# KiCad board CM4IOv5_upgraded_to_kicadv8_harmonized.kicad_pcb (continued)
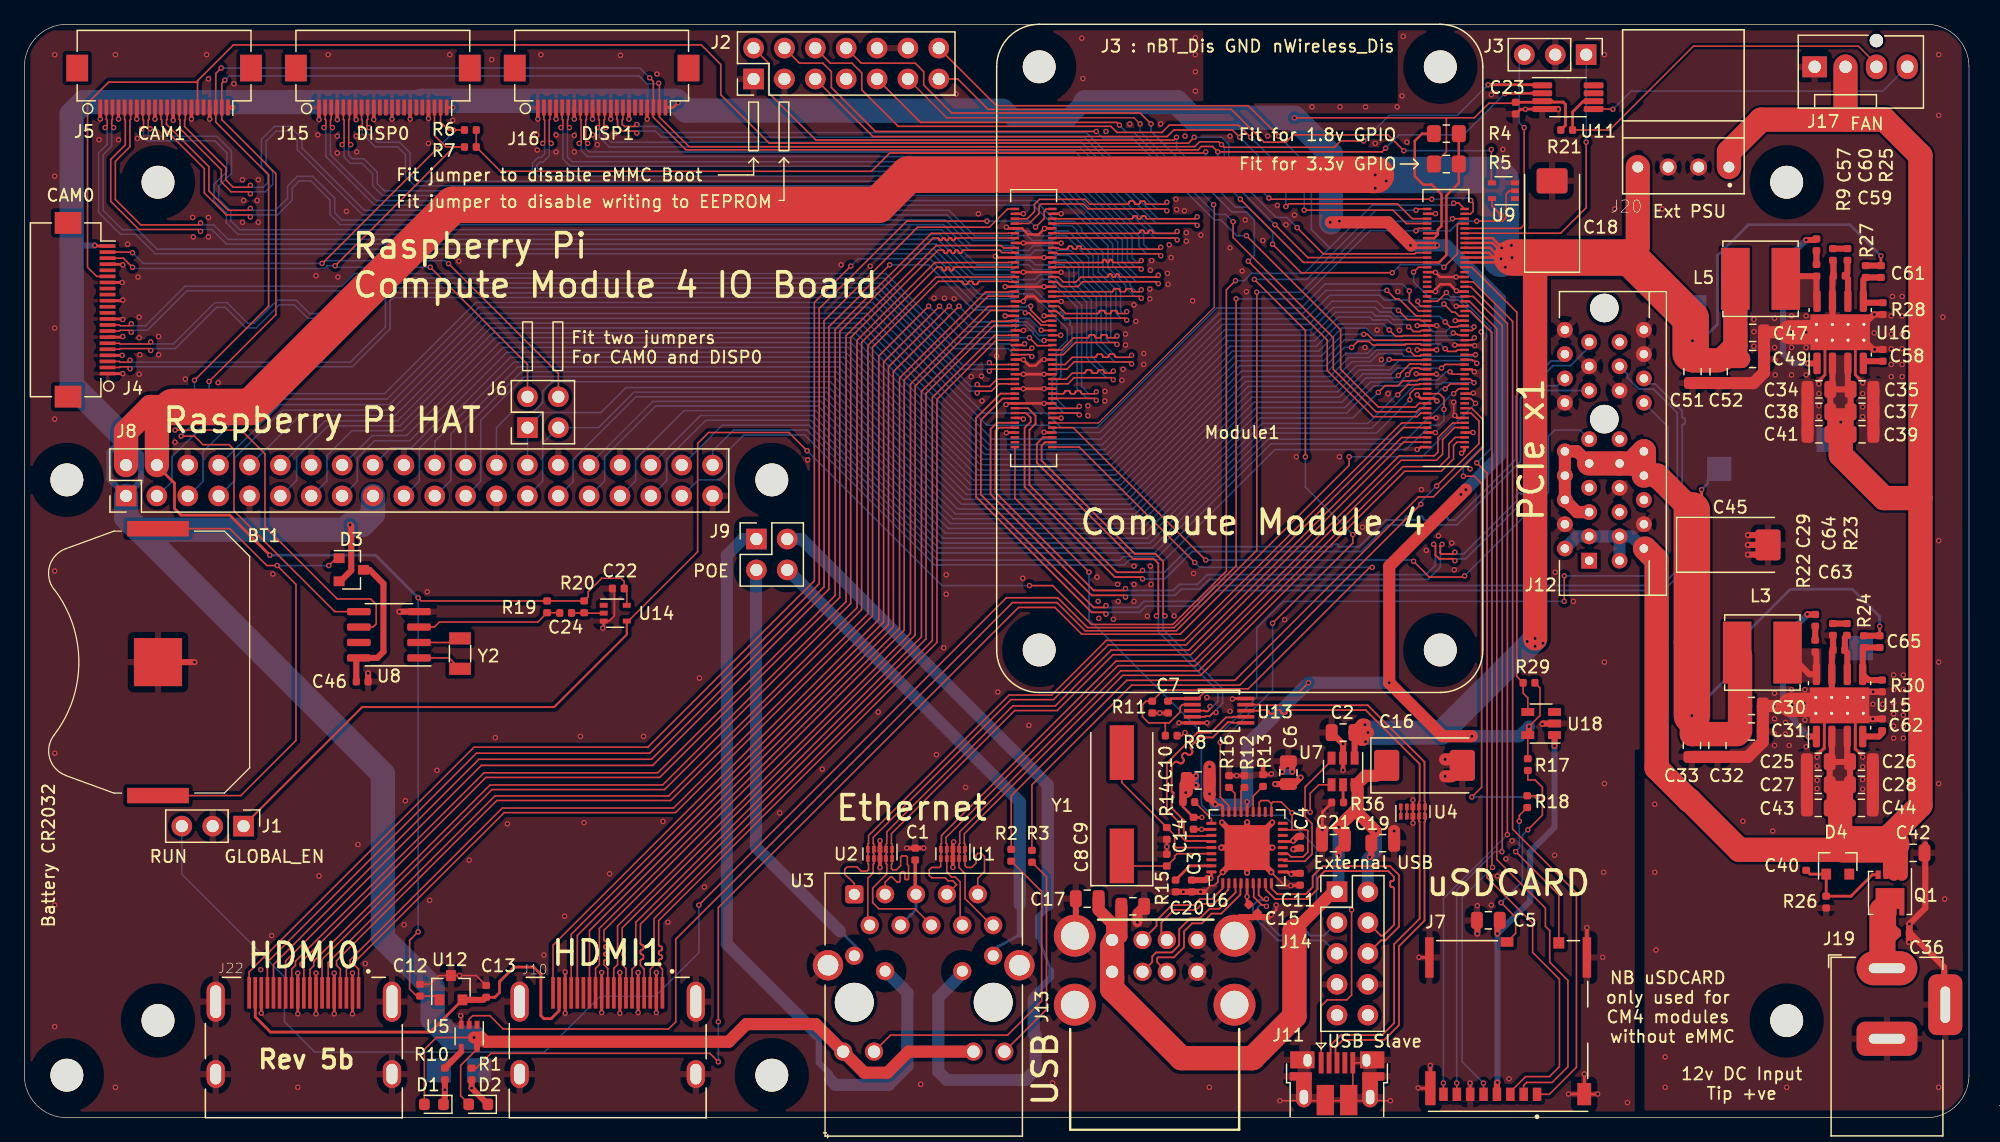
[diagram p0: board, top side]
## Nets (continued)
Net-(D1-Pad1): D1.1 R10.1 TP5.1
Net-(D2-Pad1): D2.1 R1.1 TP3.1
Net-(J2-Pad13): J2.13 U9.4
Net-(J7-Pad9): J7.9 R18.2
Net-(J7-Pad10): J7.10 R17.2
Net-(J11-Pad1): J11.1 R8.1
Net-(J17-Pad3): J17.3 R21.1 U11.6
Net-(J17-Pad4): J17.4 U11.5
Net-(L3-Pad1): L3.1 R22.1 U15.8
Net-(L5-Pad1): L5.1 R9.1 U16.8
Net-(Module1-Pad21): Module1.21 R1.2
Net-(R2-Pad1): R2.1 U3.16
Net-(R3-Pad1): R3.1 U3.18
Net-(R10-Pad2): R10.2 U5.4
Net-(R12-Pad1): R12.1 U6.24
Net-(R13-Pad1): R13.1 U6.22
Net-(R14-Pad1): R14.1 U6.28
Net-(R15-Pad2): R15.2 U6.35
Net-(R16-Pad1): R16.1 U6.25
Net-(R36-Pad1): R36.1 U7.5
Net-(U4-Pad1): U4.1 U4.10
Net-(U4-Pad2): U4.2 U4.9
Net-(U8-Pad1): U8.1 Y2.2
Net-(U8-Pad2): U8.2 Y2.1

Pads without a net: J4 11 12 14 15 18 MP; J5 18 MP; J10 14; J11 4; J12 A1 A7 B5 B6 B11 B17; J14 9 10; J15 11 12 14 15 17 18 MP; J16 17 18 MP; J22 14; Module1 19 64 68 70 72 73 104 106; U5 1; U6 11 14 16 18 20 34; U8 7; U9 1; U11 7 8; U14 1; U18 3

## Via types
v1: diameter 0.45, hole 0.25, Top to Bottom, 781 vias

## Routing (per net, layer and track width the routed paths; a pad name or vN(x,y) marks a point on that pad's centre or on a via; arc(x,y) is an arc through that point)
/+3.3v: length 461.1
  Top w0.13: 117,82.3 v1(104.5,82.3) ; 117,82.3 119.3,82.3 120.5,83.5 122.62,83.5 ; 117,82.3 117,79.5 116,78.5 ; 124.28,35.8 124.7,35.39 124.7,33.1 v1(123.8,32.2) ; 36.56,1.14 35.9,1.8 35.9,4.3 37.11,5.51 ; U18.5 123.7,29.55 ; v1(105.65,35.8) 104.89,35.04 97.11,35.04 96.7,34.63 96.7,34.5 ; v1(37,6.6) 33.9,6.6 32.91,5.61 D1.2
  Top w0.2: 98.02,25.75 98.5,25.75 98.6,25.65 U6.27 ; v1(53.8,83.55) 53.39,83.15 J16.22 ; 116.1,71.6 116.3,71.8 116.1,72 Module1.86 114.3,72 114.1,71.8 114.1,71.7 114.2,71.6 Module1.84 116.1,71.6
  Top w0.23: J4.22 5.85,71.75 v1(5.8,71.8) ; U6.23 v1(100.6,26) ; 104.16,20.04 103.97,20.23 103.61,20.23 ; R21.2 126.8,81.69 126.8,83.4 126.6,83.6 125.78,83.6 125.7,83.67 U11.3 ; U6.36 97.67,19.77 v1(97.6,19.7) ; 96.22,23.73 U6.29 ; J15.22 v1(35.25,83.15) ; C23.1 124.8,83.58 ; U6.5 v1(100.6,18.2) 100.6,17.68 ; U13.1 94.31,34.5 ; U6.15 104.33,22.73
  Top w0.3: J5.22 v1(17.15,83.15)
  Top w0.5: 26,44.15 26.9,45.05 26.9,48.7 v1(26.8,48.8) ; C11.1 104.31,20.11 ; U5.5 37.25,6.19 ; C3.1 97.18,19.56 97.34,19.72 97.6,19.72 ; v1(97.99,25.79) 97.52,26.26 97.5,26.68 ; v1(123.8,32.2) 123.8,31.6 ; 104.76,23.16 v1(104.4,22.8) ; 104.47,27.46 v1(105.01,28) ; C6.1 v1(102.91,27.46) ; C10.1 97.52,26.47
  Top w1: v1(37,6.6) 37.6,6.6 37.95,6.25 57.95,6.25 59.4,7.7 65.11,7.7 U3.15 69.11,3.7 71,3.7 72.74,5.44 U3.17 ; 97.5,26.68 v1(97.52,26.66) ; v1(97.52,26.66) 97.52,26.47 ; v1(97.52,26.66) C10.1 v1(97.52,28.89) ; v1(119.1,31.4) 116.7,31.4 v1(112.3,35.8) 112.3,45.4 v1(118.6,51.7) ; 107.5,73.7 112.2,73.7 114.1,71.8
  In2.Cu w0.5: v1(97.6,19.7) 98.12,19.18 100.43,19.18 100.6,19 v1(100.6,18.2)
  Bottom w0.5: v1(97.52,26.66) 97.52,26.26 v1(97.99,25.79) ; v1(5.8,71.8) 4.2,71.8 3.9,72.1 ; 7,54.8 8.2,56 9.6,54.6 9.6,52.41 J8.1 7,52.55 7,54.8
  Bottom w1: v1(118.2,51.3) v1(118.6,51.7) 121.4,54.5 121.4,67.4 117,71.8 114.1,71.8 ; v1(112.3,35.8) v1(105.65,35.8) 100.6,30.75 v1(100.6,26) 100.38,25.78 98.03,25.78 98,25.8 ; v1(119.1,31.4) 123,31.4 v1(123.8,32.2)
  Bottom w1.5: 80.6,83.1 81.4,82.3 85.9,82.3 87.2,83.6
  Bottom w2: 9.4,48.4 8.37,49.43 J8.1 ; 9.4,48.4 26.4,48.4 v1(26.8,48.8) 27.8,48.8 28.69,49.69 J8.17 ; 9.4,48.4 29.5,28.3 29.5,14.8 33.6,10.7 33.6,8.1 35.1,6.6 v1(37,6.6) ; 32.39,83.6 24.2,83.6 ; 8.2,56 3.9,60.3 3.9,82.6 4.9,83.6 24.1,83.6 24.1,83.6 ; 32.6,83.6 32.71,83.7 53.65,83.7 v1(53.8,83.55) 54.45,82.9 80.4,82.9 ; 87.3,83.6 94.8,83.6 96.1,82.3 v1(104.5,82.3) 107.5,79.3 107.5,73.7
  vias: v1(96.87,23.73) v1(104.24,20.04) v1(107.45,73.7) v1(108.2,73.8) v1(114.05,71.8) v1(116.25,71.8)
/+5v: length 366.9
  Top w0.13: U9.5 120.75,75.05 v1(121.5,74.3) ; 33.85,10 32.56,10 ; v1(32.4,42.8) 32.66,42.54 R19.2 R20.2 46.4,42.87 46.4,43.3 47.5,44.4 49.1,44.4 49.36,44.14 C22.1 ; U14.5 49.57,43.35 ; 32.28,10.01 31.7,10.6 31.7,14.6 v1(32.4,15.3)
  Top w0.2: 121.4,70.8 120.6,71.6 Module1.83 ; Module1.81 120.5,71.2 120.9,70.8 ; v1(122.4,70.8) 122,70.4 Module1.77 ; v1(122.4,70.8) Module1.79 ; v1(122.4,70.8) 120.8,72.4 Module1.87 ; Module1.85 120.8,72 122,70.8
  Top w0.23: 10.91,53.67 12.35,52.23 12.35,50.15 12.9,49.6 16.9,49.6 v1(20.2,46.3) ; C61.1 v1(152.75,70.95)
  Top w0.5: C61.1 R27.1 ; U7.1 109.45,31.69
  Top w1: C2.1 v1(110.55,31.7) ; C2.1 110.09,32.35 v1(110.3,32.35) ; C2.1 110.04,31.1 110.15,31.1 ; C47.1 C49.1
  Top w1.5: C49.1 139.51,62.45
  Top w2: L5.2 140.78,63.47 139.75,62.45 ; C51.1 v1(137.25,63.95) ; 131.8,70.8 132.75,71.75 J20.4 ; C52.1 137.26,62.34 ; 124.3,70.8 v1(124.3,39.45) ; J8.2 8.37,56.47 10.4,58.5 12.2,58.5 10.91,57.21 J8.4
  Top w3: 111.2,77.6 110.88,77.6 110.86,77.62 72.72,77.62 70.24,75.14 35.26,75.14 18.62,58.5 12.2,58.5 ; 137.1,62.9 137.1,65.8 132.1,70.8 v1(122.4,70.8)
  Bottom w0.13: 32.4,42.85 v1(32.4,15.3)
  Bottom w0.23: v1(152.75,70.95) 150.2,73.5 141.85,73.5 139.3,70.95 139.3,65.3 137.95,63.95 v1(137.25,63.95) 137.25,65.05 137.35,65.15 137.35,66.75 ; v1(20.2,46.3) 28.9,46.3 v1(32.4,42.8)
  Bottom w2: v1(110.55,31.7) 116.6,31.7 124.3,39.4 v1(124.3,39.45)
  Bottom w3: 111.2,77.6 121,77.6 121.5,77.1 v1(121.5,74.3) v1(121.5,70.7)
  vias: v1(110.35,30.95) v1(111.15,78.7) v1(111.15,77.6) v1(111.15,76.5) v1(112.05,78.3) v1(112.05,77.1) v1(121.55,71.6) v1(121.85,70) v1(122.35,71.8) v1(123.65,39.2) v1(124.3,38.8) v1(124.95,39.05)
/+12v: length 189.7
  Top w0.23: D4.1 148.49,21.34 C40.1
  Top w0.5: 148.72,31.43 148.72,29.17 ; 149.99,31.43 149.99,29.92 ; 150.21,27.49 150.21,29.29 148.54,29.29 148.54,25.59 ; 150.21,27.49 150.21,25.64 148.59,25.64 ; 150.21,27.49 148.59,27.49 ; 150.26,58.15 150.26,56.3 148.64,56.3 ; 150.26,58.15 C35.1 C34.1 C38.1 C41.1 ; 150.26,58.15 148.64,58.15 ; U16.3 150.03,60.58 ; Q1.3 153.18,22.07 153.6,22.5 ; 148.76,62.09 148.76,59.83
  Top w1: Q1.1 154.47,21.62 153.6,22.5 ; 149.84,82.26 149.95,82.15 ; Q1.2 153.82,22.28
  Top w2: J20.1 140.25,79.5 142.9,82.15 153.05,82.15 156,79.2 156,51 ; 156,51 156,25.7 153.6,23.3 153.6,22.5 ; 156,51 153,51 149.45,54.55 v1(149.45,57.25) ; 149.65,22.5 D4.1 141.1,22.05 137,26.15 136.94,26.15 134.3,28.79 134.3,45.9 133.35,46.85 ; 149.4,26.59 149.4,22.25 ; J17.2 149.84,82.26
  Top w3: 153.6,22.5 149.65,22.5
  Bottom w0.23: v1(149.45,57.25) 149.45,56.8
  Bottom w1: J12.A2 127.75,47.85 J12.A3 J12.B3 ; J12.B3 132.25,47.85 J12.B2 ; J12.B3 J12.B1
/CM4_GPIO ( Ethernet, GPIO, SDCARD)/+1.8v: length 12.9
  Top w0.2: 116.3,72.8 116.3,73.1 116.6,73.4 116.6,76 115.8,76.8 115.1,76.8 114.4,77.5 114.4,80.4 115,81 R4.1 ; 116.3,72.8 116.3,72.7 116,72.4 Module1.88 ; 116.3,72.8 Module1.90
/PCIe-connector/+3.3v: length 92
  Top w0.23: C65.1 v1(152.65,40.45) ; v1(138,51.7) 138,50.8 137.2,50
  Top w0.5: R24.1 C65.1
  Top w1: J12.A9 127.75,54.85 J12.A10 J12.A8 J12.A6 127.75,49.85 J12.A5
  Top w2: C31.1 C30.1 141.16,38.05 ; 140.95,31.57 C33.1 v1(137.2,33.1) ; J12.B8 J12.B10 132.25,53.85 J12.B9 J12.A9 ; 137.2,50 134.35,52.85 134.17,52.85
  Top w3: 137.2,39.1 v1(137.2,33.1) ; 137.2,50 137.2,39.16
  Bottom w0.23: v1(137.2,33.1) 137.2,33.3 140.9,37 140.9,39.1 145.3,43.5 150.4,43.5 152.65,41.25 v1(152.65,40.45) ; v1(138,51.7) 138.5,52.2 138.5,52.5
  Bottom w1: J12.B8 J12.B10 132.25,53.85 J12.B9 J12.A9 127.75,54.85 J12.A10 J12.A6 127.75,49.85 J12.A5
/USB2-HUB/VBUS: length 69.2
  Top w0.5: C21.1 108.1,22.06 108.1,21.6 v1(108.12,21.57) ; v1(110.7,21.45) 110.82,21.57 C19.1 ; v1(111.2,23.6) 109.95,24.85 109.95,27.05 109.6,27.4 ; U7.6 109.45,25.25
  Top w1: v1(111.2,23.6) 109.55,25.25 109.45,25.25 v1(108.12,23.93) 108.64,23.41 C21.1 ; C17.1 88.39,17.11 89.5,16 89.5,14.13 90.26,14.89 C20.1 ; 109.6,27.4 110.34,28.14 111.22,28.14 ; 107.7,18.6 104.5,15.4
  Top w2: 104.5,15.4 104.5,8.35 101.05,4.9 95.2,4.9 89.5,10.6 89.5,14.13
  Bottom w1: v1(111.2,23.6) 111.2,21.95 v1(110.7,21.45) 110.54,21.29 J14.2 ; 108.12,18.72 v1(108.12,21.57) v1(108.12,23.93)
GND: length 878.2
  Top w0.13: v1(118.95,2.85) 118.95,1.44 ; U12.3 37.19,11.7 38,10.88 ; U14.3 48.11,40.88 48.55,41.31 48.55,43.4 ; 119,61.6 119.1,61.6 ; v1(35.9,8.4) 35.95,8.35 U5.3 ; Module1.60 114.89,66.8 114.64,67.05 v1(114.64,67.2) ; 110.22,4.52 J11.5 109.3,1.79 ; v1(35.8,11.7) 34.1,11.7 33.39,10.99 32.3,10.99 ; v1(112.4,1.4) v1(103.3,1.4) ; v1(102.6,20.2) 103.7,19.1 v1(104.2,19.1) ; v1(98.6,20.2) 98.2,19.8 98.2,19.4 97.9,19.1 97.6,19.1 97.09,18.59 ; v1(117.7,57.8) 117.6,57.9 v1(117.6,58.9) ; 82.2,63.6 v1(82.3,63.7)
  Top w0.2: v1(116.18,61.2) 116.18,61.2 Module1.32 114.54,61.2 v1(114.52,61.23) ; Module1.66 v1(116.1,68) 116.1,68.2 116.5,68.6 117.3,68.6 117.3,68.59 v1(117.83,68.06) 117.89,68 Module1.65 ; 84.6,72 85.29,72 v1(85.3,71.99) ; v1(83.9,66.01) 83.91,66 84.6,66 ; Module1.132 v1(82.2,61.2) ; 84.6,73.2 83.95,73.2 v1(83.94,73.18) 83.45,72.7 82.6,72.7 82.1,73.2 Module1.192 80.9,73.2 v1(80.8,73.3) ; Module1.126 v1(82.2,60) ; v1(82.2,57.5) 82.1,57.6 Module1.114 ; 84.6,67.2 85.29,67.2 v1(85.3,67.19) ; Module1.167 v1(83.9,68.4) Module1.168 v1(80.7,68.4) ; v1(117.7,57.8) 117.9,57.6 Module1.13 ; 119,61.6 Module1.33 ; v1(85.3,57.59) 85.29,57.6 84.6,57.6 ; v1(80.8,56.37) 80.83,56.4 Module1.108 ; v1(119.3,61.4) 119.1,61.6 ; Module1.7 v1(119.19,56.4) ; 84.6,69.6 85.29,69.6 v1(85.3,69.59) ; v1(82.2,74.41) 82.19,74.4 Module1.198 ; v1(114.6,63.2) Module1.42 v1(116.2,63.2) ; Module1.156 v1(80.7,66) ; 84.6,56.4 83.93,56.4 v1(83.9,56.43) ; Module1.186 v1(82.2,72) Module1.185 ; v1(114.6,55) 114.7,55 114.9,55.2 Module1.2 ; Module1.144 82.2,63.6 ; v1(114.6,65.2) Module1.52 v1(116.2,65.2) ; Module1.23 119.18,59.6 v1(119.22,59.64) ; Module1.173 v1(82.2,69.6) Module1.174 ; Module1.150 v1(82.2,64.8) ; Module1.53 117.74,65.6 v1(117.73,65.61) ; v1(79.9,70.9) 80,70.8 Module1.180 v1(83.9,70.8) 84.6,70.8 ; v1(102.6,16.7) 103,17.1 v1(103,17.5) ; Module1.59 v1(117.8,66.8) ; v1(114.25,26.15) U4.8 U4.3 v1(114.25,24.25) ; v1(116.1,74.42) 116.08,74.4 Module1.98 ; v1(117.7,63.6) Module1.43 119.28,63.6 v1(119.33,63.55) ; Module1.162 v1(82.2,67.2) 82.2,67.3 82.5,67.6 83.1,67.6 83.5,67.2 Module1.161 ; U13.10 99.43,34.5 ; Module1.14 116.1,57.6 ; 118.32,54.75 118.5,54.93 Module1.1 ; Module1.119 83.91,58.8 v1(83.9,58.79) ; Module1.74 116.08,69.6 v1(116.1,69.58) 116.48,69.2 v1(117.8,69.2) Module1.71 ; Module1.131 v1(83.9,61.2) ; 84.6,74.4 85.29,74.4 v1(85.3,74.41) ; v1(80.77,58.7) 80.87,58.8 Module1.120 83.9,58.8 ; C14.2 95.33,25.59 R14.2 ; 102.31,16.51 102.5,16.7 ; v1(116.23,58.99) 116.02,59.2 Module1.22 114.9,59.2 v1(114.6,59.5) ; Module1.138 82.19,62.4 v1(82.2,62.39) 82.49,62.1 82.5,62.1 82.7,61.9 83.2,61.9 83.7,62.4 v1(83.9,62.4) 84.6,62.4 ; 84.59,60.01 v1(83.9,60.01) ; Module1.8 v1(116.1,56.4) ; U14.3 47.67,40.37
  Top w0.23: C8.2 v1(94,22.3) C9.2 ; J15.13 v1(30.25,82.2) ; v1(114.68,2.45) 114.71,2.43 J7.11 ; R12.2 v1(99.75,28.15) R16.2 ; v1(82.2,60) 83.89,60 v1(83.9,60.01) ; v1(151.25,29.69) 151.25,29.75 150.65,30.35 150.65,32.69 ; 25.5,8.5 v1(25.5,11.9) ; v1(52,8.65) v1(52,11.95) ; v1(47.5,8.65) v1(47.5,11.95) ; 151.3,60.35 151.3,60.5 150.65,61.15 150.65,63.4 ; 148.15,63.4 148.15,61.15 147.55,60.55 147.55,60.35 ; v1(96.88,24.72) C14.2 ; C23.2 123.09,83 v1(123.5,83) 123.53,83.03 U11.4 ; v1(8.1,70.2) 8.05,70.25 J4.19 ; J7.11 129.44,1.94 v1(129.45,1.95) ; v1(128.35,3.6) 128.35,1.95 ; v1(49,8.6) v1(49,11.95) ; 19.5,9.78 v1(19.5,8.6) ; v1(127.05,1.95) 128.33,1.95 ; C7.2 v1(93.41,33.31) R11.2 ; 27,8.5 v1(27,11.9) ; 107.56,25.91 106.8,25.15 v1(106.8,23.7) ; v1(104.2,19.1) 104.5,19.1 104.54,19.14 104.96,19.14 ; J7.6 118.96,2.84 v1(118.95,2.85) ; v1(147.5,29.69) 147.5,29.85 148.1,30.45 148.1,32.74 ; J4.1 v1(8.1,61.25) ; v1(97.3,32.5) U13.5 v1(95,32.5) ; v1(22.5,11.9) v1(22.5,8.55) ; J4.16 v1(8.05,68.75) ; J4.4 v1(8.05,62.75) ; J7.11 114.76,13.19 v1(114.75,13.2) ; v1(24,8.55) v1(24,11.9) ; v1(82.2,61.2) v1(83.9,61.2) ; J5.4 v1(7.75,82.2) ; J4.7 8.05,64.25 ; J4.13 8.05,67.25 ; J4.10 8.05,65.75 ; v1(50.5,8.65) v1(50.5,11.95) ; v1(44.5,8.6) v1(44.5,12)
  Top w0.3: 115.68,1.93 v1(115.68,4.3) ; v1(72.6,22.2) 72.62,22.19 C1.2 73.72,22.19 73.74,22.2 v1(74,22.2) ; J5.16 v1(13.75,82.2) ; J5.1 v1(6.25,82.2) ; 101.91,28.96 R13.2 102.54,28.24 ; J15.4 v1(25.75,82.16) ; v1(76.4,20.6) U1.8 U1.3 76.4,22.64 v1(76.47,22.71) ; J16.4 v1(43.75,82.2) ; J15.10 v1(28.75,82.16) ; J15.7 27.25,82.21 ; J16.10 v1(46.75,82.2) ; J5.19 v1(15.25,82.2) ; J16.1 v1(42.25,82.2) ; J16.19 v1(51.25,82.2) ; v1(70.4,20.6) U2.8 v1(70.4,22.8) ; J15.19 v1(33.25,82.24) ; J5.7 v1(9.25,82.2) ; 128.56,12.69 v1(128.56,15.65) ; J16.13 v1(48.25,82.2) ; J16.7 v1(45.25,82.2) ; U7.2 v1(108.5,28.6) ; J5.13 v1(12.25,82.1) ; J16.16 v1(49.75,82.2) ; J15.1 v1(24.25,82.15) ; J15.16 v1(31.75,82.2) ; J5.10 v1(10.75,82.2)
  Top w0.5: 151.76,32.82 v1(152.09,32.82) C62.2 ; 150.47,35.05 v1(152.12,35.05) R30.2 ; C63.2 148.81,39.69 ; 148.72,38.39 U15.7 148.72,34.57 ; U6.37 98.6,20.23 v1(98.6,20.2) ; U6.37 v1(98.54,24.3) ; U6.37 98.48,22.23 v1(98.47,22.22) ; U6.37 v1(100.6,20.15) ; U6.37 v1(100.6,24.32) ; U6.37 102.6,20.24 v1(102.6,20.2) ; U6.37 v1(102.67,24.3) ; U6.37 v1(102.69,22.23) ; C6.2 103.5,28.84 v1(103.5,28.47) ; U7.2 v1(108.5,30.76) C2.2 ; 96.03,27.76 v1(96.4,28.12) ; 148.76,65.28 148.76,69.22 ; C59.2 148.85,70.52 ; U8.4 v1(30.86,41.66) ; v1(155.05,14.45) 155.05,14.75 155.09,14.78 C36.2 155.09,15.62 155.1,15.63 v1(155.1,15.95) 156.4,17.25 156.4,22.5 ; R15.1 v1(95.36,18.59) C3.2 96.76,18.59 ; v1(96.4,27.38) 96.45,27.32 96.18,27.32 95.74,27.76 ; C46.2 v1(28.28,36.58) ; v1(104.32,28.47) 104.32,29.01 ; v1(104.4,22.1) 104.56,22.1 104.66,22.19 ; 157.95,9.3 157.95,12.4 155.15,15.2 ; 142.9,46.35 v1(141.8,46.35) ; v1(119.55,15.15) 119.55,16.21 ; v1(96.78,18.6) 97.09,18.59 ; v1(126.2,83) 126.18,83.03 U11.4 ; 142.55,47.95 v1(141.8,47.95) ; R28.2 v1(152.22,66.11) 152.16,66.11 U16.9 ; U18.2 124.94,32.44 v1(124.9,32.4) ; C58.2 v1(152.24,63.23) 152.12,63.23 U16.9 ; BT1.2 v1(14,37.5) ; 100.01,16.51 102.31,16.51 ; C45.2 v1(141.8,47.15) ; C17.2 86.51,13.95
  Top w0.6: R14.2 95.33,27.45
  Top w0.8: C20.2 91.58,16.84 v1(91.58,16.08)
  Top w1: 143.19,64.65 v1(144.05,64.65) 145.25,64.65 ; C33.2 C32.2 141.8,29.7 143.04,30.94 C31.2 C30.2 v1(143.95,33.89) 145.2,33.89 145.3,33.99 ; 146.66,29.29 146.66,25.59 ; 152.09,29.29 152.09,25.59 ; 116.9,29.5 117.81,29.5 ; C51.2 139.39,60.47 ; C34.2 C41.2 ; C52.2 142.26,60.46 143.14,61.34 C49.2 C47.2 ; C10.2 95.64,26.84 ; C21.2 106.76,23.63 106.8,23.67 ; C35.2 C39.2 ; v1(116.9,28.1) 117.41,28.1 ; C19.2 v1(112.7,23.6)
  Top w2: U16.9 145.25,64.65 ; 149.3,33.99 145.3,33.99
  In1.Cu w0.13: 30,55.2 29.95,55.15 29.95,49.85 29.9,49.8 ; 30,55.2 32.5,55.2 ; 30,55.2 27.4,55.2 ; 50.25,52.4 55.36,52.4 56.63,51.13 ; 50.25,52.4 42.66,52.4 ; 50.25,52.4 50.25,52.45 50.35,52.55 ; 14.7,52.4 14.7,49.9 14.6,49.8 ; 14.6,49.8 17.3,49.8 ; 14.6,49.8 12.2,49.8 ; 17.3,49.8 17.25,49.85 17.25,55.15 17.2,55.2 ; 17.3,49.8 19.9,49.8 ; 45.2,49.8 47.7,49.8 ; 45.2,49.8 45.25,49.85 45.25,55.15 45.2,55.2 ; 45.2,49.8 42.7,49.8 ; 47.7,49.8 47.75,49.85 47.75,55.15 47.7,55.2 ; 47.7,49.8 50.4,49.8 ; 35,49.8 35.05,49.85 35.05,55.15 35.1,55.2 ; 35,49.8 32.5,49.8 ; 35,49.8 37.6,49.8 ; 52.7,55.2 50.3,55.2 ; 52.7,55.2 52.85,55.05 52.85,49.85 52.9,49.8 ; 52.7,55.2 55.3,55.2 ; 50.3,55.2 50.35,55.15 50.35,49.85 50.4,49.8 ; 50.3,55.2 47.7,55.2 ; 19.9,55.2 19.85,55.15 19.85,49.85 19.9,49.8 ; 19.9,55.2 22.4,55.2 ; 19.9,55.2 17.2,55.2 ; 40.1,49.8 42.7,49.8 ; 40.1,49.8 40.1,55.2 ; 40.1,49.8 37.6,49.8 ; 42.7,49.8 42.66,49.84 42.66,52.4 ; 49.01,53.67 49.01,52.47 49.08,52.4 ; 42.66,52.4 27.45,52.4 27.4,52.45 23.6,52.4 ; 42.66,52.4 42.66,55.14 42.6,55.2 ; 42.66,52.4 43.93,53.67 ; 22.4,55.2 22.35,55.15 22.35,52.45 ; 22.4,55.2 24.9,55.2 ; 18.6,52.4 18.53,52.33 18.53,51.13 ; 35.1,55.2 37.7,55.2 ; 35.1,55.2 32.5,55.2 ; 27.4,49.8 27.4,55.2 ; 27.4,49.8 24.8,49.8 ; 27.4,49.8 29.9,49.8 ; 17.2,55.2 12.2,55.2 ; 19.9,49.8 22.4,49.8 ; 42.6,55.2 40.1,55.2 ; 42.6,55.2 45.2,55.2 ; 40.1,55.2 37.7,55.2 ; 32.5,55.2 32.55,55.15 32.55,49.85 32.5,49.8 ; 23.6,52.4 23.6,52.46 23.61,52.47 23.61,53.67 ; 23.6,52.4 7,52.4 ; 37.7,55.2 37.6,55.1 37.6,49.8 ; 12.2,55.2 7.4,55.2 7,54.8 7,52.4 ; 12.2,55.2 12.15,55.15 12.15,49.85 12.2,49.8 ; 27.4,55.2 24.9,55.2 ; 12.2,49.8 7.2,49.8 7,50 7,52.4 ; 22.35,52.45 22.4,52.4 ; 22.35,52.45 22.35,49.85 22.4,49.8 ; 47.7,55.2 45.2,55.2 ; 24.8,49.8 24.9,49.9 24.9,55.2 ; 24.8,49.8 22.4,49.8 ; 52.9,49.8 57.9,49.8 58.1,50 58.1,54.6 57.5,55.2 55.3,55.2 ; 52.9,49.8 50.4,49.8 ; 55.3,55.2 55.3,52.4 ; 29.9,49.8 32.5,49.8 ; J14.7 J14.8 ; 14.72,52.4 13.45,53.67 ; 31.3,52.4 31.23,52.47 31.23,53.67 ; 38.85,51.13 40.12,52.4 ; 39.95,52.4 40.1,52.55
  In1.Cu w0.23: J2.12 73.94,86.8 ; 73.94,86.8 73.94,84.84 ; 73.94,86.8 76,86.8
  In1.Cu w0.5: J2.7 J2.10
  In2.Cu w0.13: 38.8,52.4 38.8,52.38 38.85,52.33 ; 38.8,52.4 38.9,52.4 ; 38.8,52.4 37.5,52.4 ; 12.2,55.05 12.25,55.1 14.7,55.1 ; 12.2,55.05 13.45,53.8 ; 12.2,55.05 12.2,52.47 12.15,52.42 ; 45.15,50.05 45.15,55.05 45.2,55.1 ; 35.1,52.4 35.05,52.35 35.05,50.15 35.2,50 ; 35.1,52.4 34.95,52.4 ; 35.1,52.4 37.5,52.4 ; 24.8,50 22.3,50 ; 24.8,50 27.5,50 ; 24.8,50 24.8,52.4 ; 22.3,50 22.3,52.4 ; 22.3,50 19.8,50 ; 17.3,55.1 14.7,55.1 ; 17.3,55.1 19.8,55.1 ; 17.3,55.1 17.25,55.05 17.25,52.65 17.2,52.6 17.2,50.1 17.3,50 ; 14.7,55.1 14.72,55.08 14.72,52.42 ; 34.95,52.4 34.95,52.75 35.1,52.9 35.1,55.1 ; 34.95,52.4 32.5,52.4 ; 34.95,52.4 35,52.35 ; 27.4,52.4 27.45,52.45 27.45,55.05 27.5,55.1 ; 42.65,52.4 55.9,52.4 56,52.5 57.6,52.5 58,52.9 58,54.5 57.4,55.1 55.3,55.1 ; 42.65,52.4 42.65,55.05 42.7,55.1 ; 42.65,52.4 38.9,52.4 ; 42.65,52.4 42.65,50.05 42.7,50 ; 31.2,52.4 31.2,52.5 31.23,52.53 31.23,53.67 ; 31.2,52.4 30,52.4 ; 31.2,52.4 32.5,52.4 ; 19.8,55.1 22.4,55.1 ; 19.8,55.1 19.8,52.4 ; 37.5,52.4 37.5,52.3 37.55,52.25 37.55,50.15 37.7,50 ; 37.5,52.4 37.5,55.1 ; 45.2,55.1 42.7,55.1 ; 45.2,55.1 47.8,55.1 ; 42.7,55.1 40,55.1 ; 30.1,50 30,50.1 30,52.4 ; 30.1,50 32.6,50 ; 30.1,50 27.5,50 ; 15.2,52.4 14.7,52.4 14.3,52.8 14.3,52.82 13.45,53.67 ; 15.2,52.4 19.8,52.4 ; 15.2,52.4 15.18,52.42 14.72,52.42 ; 19.8,52.4 19.8,50 ; 19.8,52.4 22.3,52.4 ; 40,55.1 37.5,55.1 ; 40,55.1 40.1,55 40.1,50.2 40.2,50.1 40.2,50 ; 37.5,55.1 35.1,55.1 ; 23.68,52.4 23.61,52.47 23.61,53.67 ; 14.7,50 12.2,50 12.15,50.05 12.15,52.42 ; 14.7,50 17.3,50 ; 14.7,50 14.72,50.02 14.72,52.42 ; 19.8,50 17.3,50 ; 50.3,55.1 50.3,50 ; 50.3,55.1 47.8,55.1 ; 50.3,55.1 52.8,55.1 ; 32.5,52.4 32.5,55.1 ; 32.5,52.4 32.5,50.1 32.6,50 ; 32.5,55.1 35.1,55.1 ; 32.5,55.1 30,55.1 ; 12.15,52.42 14.72,52.42 ; 52.9,50 50.3,50 ; 52.9,50 52.85,50.05 52.85,55.05 52.8,55.1 ; 52.9,50 55.3,50 55.3,52.55 55.35,52.6 55.35,55.05 55.3,55.1 ; 50.3,50 47.8,50 ; 22.4,52.4 22.4,55.1 ; 30,52.4 30,55.1 ; 30,52.4 24.9,52.4 ; 24.9,52.4 24.9,55.1 ; 24.9,52.4 24.8,52.4 ; 43.9,52.4 43.9,52.44 43.93,52.47 43.93,53.67 ; 47.8,55.1 47.8,50 ; 22.4,55.1 24.9,55.1 ; 27.35,52.4 27.4,52.35 27.4,50.1 27.5,50 ; 32.6,50 35.2,50 ; 22.3,52.4 24.8,52.4 ; 55.36,52.4 56.63,51.13 ; 42.7,50 47.8,50 ; 42.7,50 40.2,50 ; 18.53,51.13 18.53,52.33 18.6,52.4 ; 52.8,55.1 55.3,55.1 ; 40.2,50 37.7,50 ; 37.7,50 35.2,50 ; 48.9,52.4 49.01,52.51 49.01,53.67 ; 27.5,55.1 24.9,55.1 ; 27.5,55.1 30,55.1 ; 38.9,52.4 38.85,52.35 38.85,51.13
  In2.Cu w0.23: 74,86.7 74,84.6 ; 74,86.7 73.8,86.9 73.8,86.94 J2.12 ; 74,86.7 74.2,86.7 74.3,86.8 75.9,86.8
  In2.Cu w0.5: J2.10 J2.7
  Bottom w0.5: v1(103.5,28.47) v1(104.32,28.47) ; v1(96.4,28.12) v1(96.4,27.38)
  vias: v1(2.5,87.5) v1(2.5,77.5) v1(2.5,65) v1(2.5,57.5) v1(2.5,45) v1(2.5,30) v1(2.5,17.5) v1(2.5,7.5) v1(6.15,80.5) v1(7.5,87.5) v1(7.5,2.5) v1(7.75,80.5) v1(8.1,67.3) v1(8.1,65.7) v1(8.1,64.3) v1(8.5,71.9) v1(9.3,80.6) v1(9.35,69.2) v1(9.45,65.9) v1(9.45,64.2) v1(9.5,62.8) v1(9.45,61.2) v1(11.05,64.3) v1(11.05,62.8) v1(12.4,55.6) v1(13.25,60.8) v1(13.85,74.1) v1(13.9,72.5) v1(15,87.5) v1(15.15,85.5) v1(15.15,74.1) v1(15.15,72.5) v1(15.95,60.5) v1(17.25,85.1) v1(17.95,77.2) v1(18.05,75.5) v1(17.95,73.7) v1(19.25,77.2) v1(19.15,75.5) v1(19.25,73.7) v1(19.45,12.19) v1(20.35,14.99) v1(20.45,44.75) v1(22.5,2.5) v1(24,69.3) v1(24.15,80.9) v1(24.25,19.9) v1(25,87.5) v1(25.5,8.55) v1(25.75,80.8) v1(25.75,79.4) v1(25.8,69.2) v1(26.5,74.6) v1(27,8.55) v1(27.3,82.16) v1(27.3,80.8) v1(27.35,79.5) v1(27.45,22.49) v1(28.05,12.69) v1(29.15,81.2) v1(31.25,15.89) v1(31.35,26.09) v1(33.25,80.2) v1(33.15,43.29) v1(33.35,17.89) v1(33.95,28.59) v1(35,87.5) v1(35.25,82.1) v1(35.75,70.5) v1(36.6,21.2) v1(38.45,87.1) v1(38.75,31.29) v1(39.75,24.19) v1(42.15,80.9) v1(42.2,79.66) v1(42.5,87.5) v1(42.75,13.39) v1(43.75,80.9) v1(43.75,79.5) v1(44.45,16.59) v1(45.25,80.85) v1(45.25,79.5) v1(45.75,31.39) v1(46.05,24.29) v1(46.75,80.9) v1(47.15,80.1) v1(47.6,40.3) v1(48.15,20.09) v1(48.6,81) v1(49.05,87.45) v1(50.95,31.39) v1(52.05,85.9) v1(52.55,24.39) v1(52.95,16.09) v1(55.55,36.19) v1(55.95,18.99) v1(62.15,25.09) v1(64.45,54.15) v1(65.65,28.69) v1(67.2,70.2) v1(69.6,70.09) v1(70.25,33.39) v1(73.75,2.75) v1(74.85,67.45) v1(75.05,29.89) v1(75.7,67.45) v1(75.65,38.69) v1(75.85,44.69) v1(75.85,43.09) v1(76.5,67.4) v1(76.66,84.26) v1(77.45,27.19) v1(77.9,61) v1(78.5,74.4) v1(78.75,61.04) v1(78.8,59) v1(80,62.69) v1(80.1,35.04) v1(82.15,44.4) v1(82.65,32.29) v1(84.6,2.85) v1(87,88.85) v1(87.1,85.54) v1(87.5,58.6) v1(87.5,57.79) v1(88.25,44.5) v1(88.35,42.5) v1(88.4,41.1) v1(88.9,59.79) v1(88.9,59) v1(89,81.18) v1(89.6,41.02) v1(89.95,43.9) v1(90,42.5) v1(90.3,60.7) v1(90.4,61.6) v1(90.6,64.5) v1(90.6,63.6) v1(90.95,81.8) v1(91.3,66.9) v1(91.3,45.4) v1(91.3,43.9) v1(91.3,42.5) v1(91.45,65.55) v1(92.1,62.9) v1(92.1,62) v1(92.4,41.29) v1(92.6,68.2) v1(92.6,67.4) v1(92.65,69.75) v1(92.65,45.4) v1(92.7,43.9) v1(92.75,70.55) v1(93.5,81.8) v1(94.05,69.5) v1(94.1,68.6) v1(94.2,71.85) v1(94.35,70.8) v1(94.6,41.3) v1(94.75,75.6) v1(94.8,74.75) v1(95.45,74.65) v1(95.5,80.8) v1(95.6,72.85) v1(95.6,72.15) v1(95.56,26.75) v1(96.12,67.25) v1(96.2,44.8) v1(96.35,88.9) v1(96.35,87.5) v1(96.35,86.1) v1(96.35,84.5) v1(96.8,72.65) v1(97.3,34.6) v1(97.5,2.5) v1(99.2,80.8) v1(99.2,71.6) v1(99.2,33.45) v1(99.4,34.47) v1(100.2,69.7) v1(100.45,73.9) v1(100.55,68) v1(101.9,72.2) v1(101.95,29) v1(102.3,80.8) v1(102.6,28.3) v1(103.1,75.1) v1(103.7,41) v1(103.8,73.5) v1(104.5,74.3) v1(104.65,54.4) v1(105.95,83.2) v1(108.25,83.2) v1(108.2,54.4) v1(110.1,48.6) v1(110.35,83.2) v1(110.3,63.4) v1(111.15,80.2) v1(111.3,64.84) v1(111.65,62.4) v1(112.2,59.6) v1(112.95,83.2) v1(113,68) v1(113.13,64.81) v1(113.35,84.1) v1(113.45,89) v1(113.75,80.3) v1(114.95,51.7) v1(115.35,46.7) v1(116.15,57.6) v1(116.35,47.9) v1(116.9,29.49) v1(117.45,47.3) v1(117.65,45.1) v1(118.25,54.7) v1(118.95,53.4) v1(119.55,17.45) v1(119.88,64.69) v1(120.7,84.2) v1(120.7,17.5) v1(121.2,19.9) v1(121.65,79.7) v1(121.9,21.3) v1(122.15,3.2) v1(122.4,22.8) v1(125.95,44.9) v1(125.9,21.6) v1(127.45,42.5) v1(129.85,13.2) v1(129.95,20.2) v1(130,87.5) v1(130,37.5) v1(130,27.5) v1(130.85,74.8) v1(131.9,1.25) v1(134.15,25.8) v1(134.15,20.2) v1(134.25,13.8) v1(134.75,74.8) v1(135,5) v1(135,2.5) v1(141.4,24.4) v1(142.3,65.7) v1(142.3,64.7) v1(142.3,63.5) v1(143.85,23.6) v1(144,65.8) v1(144,63.4) v1(144,34.94) v1(144,32.84) v1(144,31.59) v1(144,30.64) v1(144.05,62.34) v1(144.05,61.15) v1(144.9,32.54) v1(144.9,31.59) v1(145,2.5) v1(145.2,30.64) v1(145.4,66) v1(145.4,64.65) v1(145.4,63.4) v1(145.4,61.14) v1(145.4,35.24) v1(145.45,33.99) v1(146.45,34.09) v1(146.5,35.24) v1(146.5,32.74) v1(146.6,66) v1(146.6,64.65) v1(146.6,63.4) v1(146.6,61.14) v1(146.6,30.54) v1(147.5,28.94) v1(147.5,27.79) v1(147.5,27.09) v1(147.65,60.4) v1(147.65,59.6) v1(147.65,58.6) v1(147.65,57.7) v1(151.25,60.5) v1(151.25,59.6) v1(151.25,58.5) v1(151.25,57.7) v1(151.25,28.89) v1(151.25,27.84) v1(151.25,27.04) v1(152.1,34.04) v1(152.2,64.6) v1(152.9,34.04) v1(153.6,66) v1(153.6,64.5) v1(153.6,63.3) v1(153.6,62) v1(153.6,61) v1(153.7,67.6) v1(153.8,36.44) v1(153.8,35.24) v1(153.8,34.14) v1(153.8,33.24) v1(153.8,32.24) v1(153.8,31.24) v1(154.5,67.6) v1(154.5,66) v1(154.5,64.5) v1(154.5,63.3) v1(154.5,62) v1(154.5,61) v1(154.6,36.44) v1(154.6,35.24) v1(154.6,34.14) v1(154.6,33.14) v1(154.6,32.24) v1(154.6,31.24) v1(157.5,87.5) v1(157.5,82.5) v1(157.5,47.5) v1(157.5,37.5) v1(157.5,27.5) v1(157.5,2.5) v1(157.85,65.9) v1(158,18)
